# Altium PCB PCB1.PcbDoc (part 2 of 4)
Units mm, origin at the board's own origin, x right, y up, seen from the top; angles counter-clockwise.
Board outline 58.36 x 29.25 mm, 4 copper layers (Top Layer, Int1 (GND), Int2 (PWR), Bottom Layer), stack 1.586 mm thick; 90 components, 72 nets, 321 pads, 257 vias.
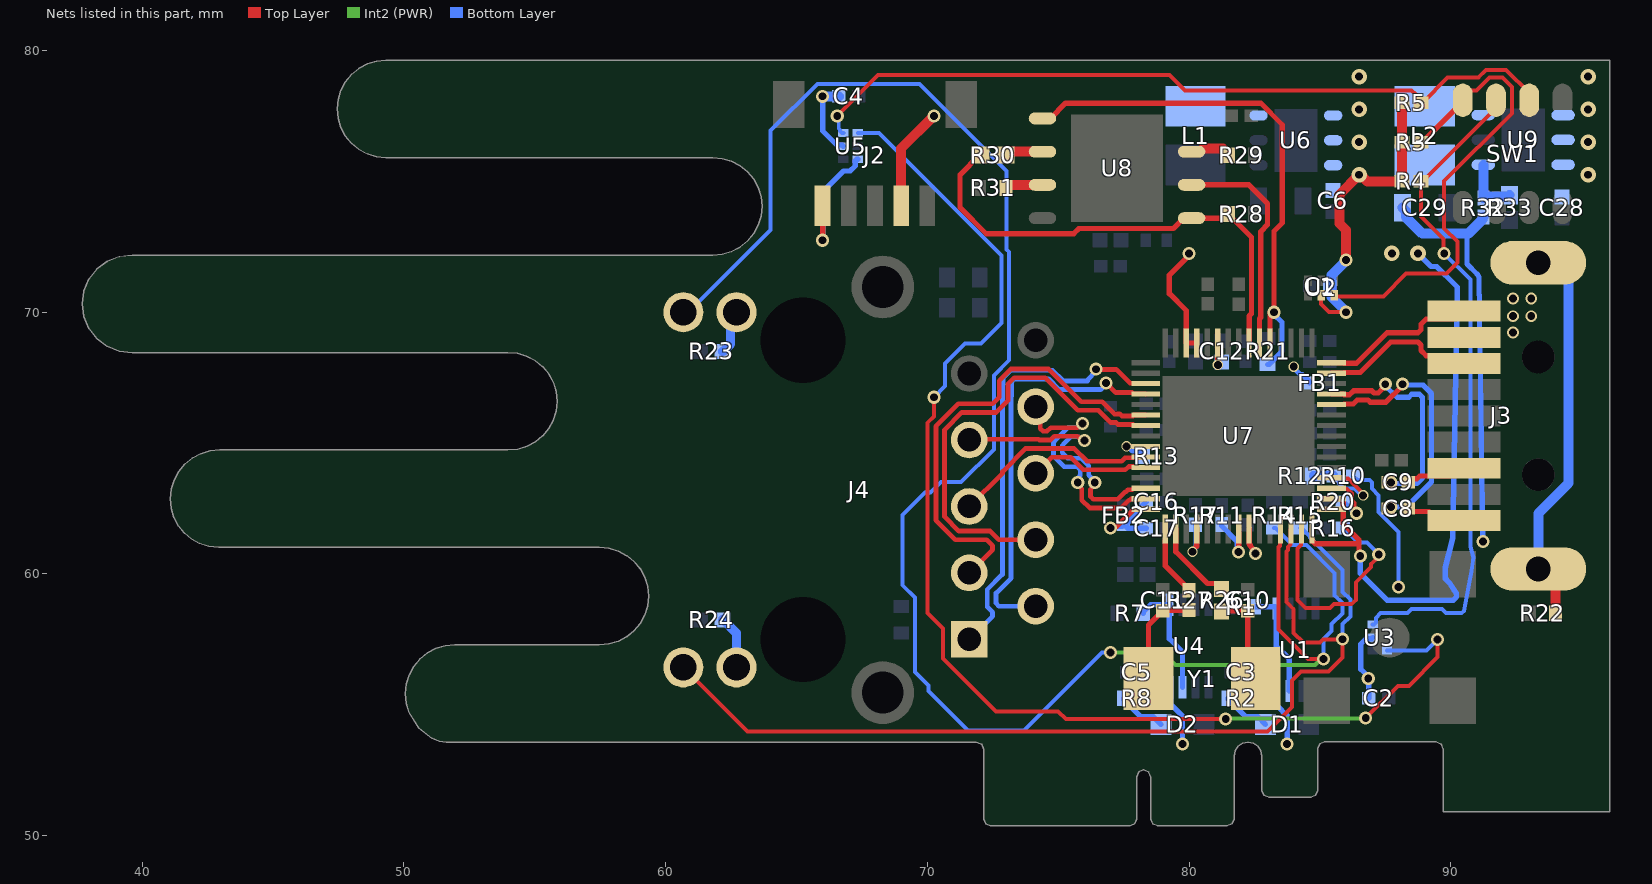
[diagram p4: the nets of this part, all layers, seen from the top]

## Via types
v1: diameter 0.5, hole 0.3, Top Layer to Bottom Layer, tented both sides, 181 vias
v2: diameter 0.6, hole 0.3, Top Layer to Bottom Layer, tented bottom, 32 vias
v3: diameter 0.6, hole 0.3, Top Layer to Bottom Layer, tented both sides, 14 vias
v4: diameter 0.4, hole 0.3, Top Layer to Bottom Layer, tented both sides, 11 vias
v5: diameter 0.48, hole 0.3, Top Layer to Bottom Layer, tented both sides, 10 vias
v6: diameter 0.45, hole 0.3, Top Layer to Bottom Layer, tented both sides, 5 vias
v7: diameter 0.5, hole 0.3, Top Layer to Bottom Layer, tented bottom, 2 vias
v8: diameter 0.5, hole 0.3, Top Layer to Bottom Layer, 2 vias

## Nets (pads, with @x,y where several pads share a name; then routed paths per layer and width w, separated by ;. In a path a pad name is that pad's centre, name@x,y a point inside that pad or via, vN(x,y) a via of type N, cw(c..) or ccw(c..) an arc to the next point about the centre after c; other vN are vias at no path point) (continued)
GPS_PPS_OUT: J2.5 U5.3 | length 5.1
  Top Layer w0.203: v1(66,72.75) J2.5@66,74.062
  Bottom Layer w0.203: v1(66,72.75) 66,74.598 66.8,75.398 67.054,75.398 67.246,75.59 67.246,75.796 67.294,75.844 U5.3@67.344,75.844
LED0: J4.P12 R14.2 U7.27 | length 72.1
  Top Layer w0.153: U7.27@83.496,61.722 83.472,61.698 83.472,61.075 83.419,61.021 83.419,57.871 84.539,56.75 v1@85.012,56.75
  Int2 (PWR) w0.153: v1(77,57) 79.007,57 79.484,56.524 84.82,56.524 85.046,56.75 v1(85.14,56.75)
  Bottom Layer w0.153: J4.P12@60.68,70 60.87,70 64.019,73.148 64.019,76.943 65.803,78.726 69.697,78.726 73.024,75.4 73.024,72.405 73.131,72.297 73.131,68.169 72.553,67.591 72.553,64.763 71.297,63.506 70.527,63.506 70.128,63.107 69.907,63.107 69.052,62.252 69.052,59.569 69.526,59.094 69.526,56.256 70.052,55.73 70.052,55.524 71.553,54.024 73.697,54.024 76.674,57 v1(77,57) ; R14.2@83.25,61.75 83.3,61.75 83.947,61.103 84.49,61.103 85.568,60.025 85.568,59.184 85.859,58.892 85.859,58.498 85.447,58.085 85.447,57.82 85.14,57.513 v1(85.14,56.75)
LED1: J4.P14 R15.2 U7.28 | length 40.1
  Top Layer w0.153: J4.P14@60.68,56.43 63.133,53.976 82.997,53.976 83.933,54.913 83.933,55.934 84.273,56.274 85.338,56.274 85.871,56.807 v1@85.871,57.5 ; U7.28@83.896,61.722 83.872,61.698 83.872,61.127 83.775,61.03 83.775,60.92 83.722,60.866 83.722,58.93 84,58.652 84,57.75 84.373,57.377 85.004,57.377 85.127,57.5 85.863,57.5 v1(85.871,57.508)
  Bottom Layer w0.153: R15.2@84.25,61.75 84.3,61.75 84.623,61.427 84.623,61.398 85.871,60.15 85.871,59.309 86.162,59.018 86.162,58.372 85.871,58.08 v1(85.871,57.508)
MDI0_N: J4.P2 U7.4 | length 15.9
  Top Layer w0.18: v1(76.832,67.301) 77.201,66.932 77.836,66.932 77.886,66.882 78.336,66.882 U7.4@78.346,66.872
  Bottom Layer w0.18: J4.P2@74.14,58.77 72.731,58.77 72.626,58.875 72.626,59.27 73.2,59.844 73.2,66.779 73.222,66.801 73.222,67.196 73.222,67.345 73.328,67.451 74.644,67.451 75.049,67.045 76.62,67.045 76.832,67.257 v1(76.832,67.301)
MDI0_P: J4.P1 U7.3 | length 16.9
  Top Layer w0.18: v1(76.446,67.824) 76.458,67.811 77.008,67.811 77.01,67.813 77.215,67.813 77.747,67.282 78.336,67.282 U7.3@78.346,67.272
  Bottom Layer w0.18: J4.P1@71.6,57.5 72.493,58.393 72.493,58.542 72.296,58.739 72.296,59.407 72.87,59.981 72.87,66.916 72.892,67.482 73.191,67.781 74.78,67.781 75.186,67.375 76.125,67.375 76.125,67.417 76.446,67.737 v1(76.446,67.824)
MDI1_N: J4.P4 U7.7 | length 16.8
  Top Layer w0.18: J4.P4@74.14,61.31 72.731,61.31 72.401,61.64 71.211,61.64 70.66,62.191 70.66,65.509 71.321,66.17 72.637,66.17 73.08,66.613 73.08,67.25 73.33,67.5 74.5,67.5 75.75,66.25 76.541,66.25 77.005,65.785 77.21,65.785 77.289,65.707 77.861,65.707 77.896,65.672 U7.7@78.346,65.672
MDI1_P: J4.P3 U7.6 | length 17.6
  Top Layer w0.18: J4.P3@71.6,60.04 72.493,60.933 72.493,61.082 72.265,61.31 71.074,61.31 70.33,62.054 70.33,65.646 71.184,66.5 72.5,66.5 72.75,66.75 72.75,67.387 73.193,67.83 74.637,67.83 75.887,66.58 76.678,66.58 77.142,66.115 77.347,66.115 77.425,66.037 77.861,66.037 77.896,66.072 U7.6@78.346,66.072
MDI2_N: J4.P6 U7.11 | length 4.7
  Top Layer w0.18: J4.P6@74.14,63.85 74.143,63.85 74.753,64.46 75.48,64.46 75.95,63.99 75.953,63.99 75.963,63.98 77.569,63.98 77.694,64.105 77.863,64.105 77.896,64.072 U7.11@78.346,64.072
MDI2_P: J4.P5 U7.10 | length 8
  Top Layer w0.18: J4.P5@71.6,62.58 72.875,63.855 72.875,63.914 73.751,64.79 75.617,64.79 76.087,64.32 76.09,64.32 76.1,64.31 77.432,64.31 77.557,64.435 77.859,64.435 77.896,64.472 U7.10@78.346,64.472
MDI3_N: J4.P8 U7.14 | length 9.8
  Top Layer w0.18: J4.P8@74.14,66.39 74.317,66.213 74.317,65.555 74.423,65.45 74.572,65.45 74.712,65.59 75.753,65.59 75.913,65.75 v1(75.931,65.75) ; v1(75.75,63.5) 75.75,63.413 75.906,63.258 75.906,62.824 76.209,62.522 77.406,62.522 77.697,62.812 77.73,62.812 77.78,62.862 78.336,62.862 U7.14@78.346,62.872
  Bottom Layer w0.18: v1(75.75,63.5) 75.811,63.561 75.811,63.735 75.842,63.765 75.842,63.99 75.736,64.095 75.224,64.095 74.825,64.495 74.825,65.041 74.91,65.127 75.373,65.59 75.753,65.59 75.913,65.75 v1(75.931,65.75)
MDI3_P: J4.P7 U7.13 | length 10.8
  Top Layer w0.18: J4.P7@71.6,65.12 71.63,65.15 74.256,65.15 74.286,65.12 74.708,65.12 74.848,65.26 75.753,65.26 75.913,65.1 v1(76,65.1) ; v1(76.4,63.49) 76.4,63.403 76.236,63.239 76.236,62.961 76.345,62.852 77.269,62.852 77.56,63.142 77.593,63.142 77.663,63.212 77.836,63.212 77.896,63.272 U7.13@78.346,63.272
  Bottom Layer w0.18: v1(76,65.1) 75.913,65.1 75.753,65.26 75.51,65.26 75.24,64.99 75.155,64.905 75.155,64.631 75.361,64.425 75.873,64.425 76.172,64.127 76.172,63.776 76.4,63.548 v1(76.4,63.49)
MUX1_CTRL: R3.1 SW1.8 U2.6 | length 18.1
  Top Layer w0.152: U2.6@85.55,70.652 85.602,70.6 87.422,70.6 88.299,71.476 89.831,71.476 90.25,71.895 90.25,72.702 89.75,73.202 89.75,75.008 92.336,77.594 92.336,78.606 91.981,78.961 91.479,78.961 90.989,78.471 90.741,78.471 90.46,78.191 SW1.8@90.46,77.996
  Top Layer w0.203: R3.1@88.866,76.5 88.92,76.5 90.158,77.738 90.203,77.738 SW1.8@90.46,77.996
  Top Layer w0.381: SW1.8@90.406,78.046 SW1.8@90.46,78.1
MUX2_CTRL: R4.1 SW1.7 U3.6 | length 25.5
  Top Layer w0.152: v1(89.75,72.25) 89.72,72.28 89.72,72.805 88.866,73.659 R4.1@88.866,75 88.92,75 91.73,77.81 SW1.7@91.73,78.1
  Bottom Layer w0.152: U3.6@87.015,58.071 87.065,58.071 87.139,58.145 87.139,58.315 87.324,58.5 88.345,58.5 88.5,58.655 89.668,58.655 89.823,58.5 90.372,58.5 90.411,58.5 90.5,58.589 90.734,59.806 90.768,59.995 90.859,60.552 90.864,60.615 90.75,61.043 90.75,71.25 v1(89.75,72.25)
MUX3_CTRL: R5.1 SW1.6 U5.6 | length 29.7
  Top Layer w0.152: v1(66.558,77.5) 68.122,79.064 79.262,79.064 79.852,78.474 88.507,78.474 88.651,78.33 88.651,78.16 88.811,78 R5.1@88.866,78 88.92,78 89.881,78.961 91.051,78.961 91.354,79.264 92.106,79.264 93,78.37 SW1.6@93,78.1
  Bottom Layer w0.152: v1@66.558,77.406 v1(66.558,77.5) 66.617,77.441 66.617,77.021 66.671,76.968 66.671,76.918 66.744,76.844 U5.6@66.794,76.844
NetC10_1: C10.1 R26.1 Y1.1 | length 3.7
  Top Layer w0.203: R26.1@81.25,58.571 81.279,58.6 C10.1@82.25,58.6 82.25,56.3 Y1.1@82.55,56
NetC11_1: C11.1 R27.1 Y1.2 | length 3.8
  Top Layer w0.203: Y1.2@78.45,56 78.45,58.05 C11.1@79,58.6 79.012,58.612 79.988,58.612 R27.1@80,58.625
NetC16_2: C16.2 C17.2 FB2.1 U7.15 | length 4.4
  Top Layer w0.203: v1(77,61.75) 77.08,61.75 77.153,61.823 77.25,61.823 77.899,62.472 U7.15@78.346,62.472
  Bottom Layer w0.152: v1(77,61.75) 77.05,61.8 77.45,61.8 FB2.1@77.5,61.85
  Bottom Layer w0.203: FB2.1@77.5,61.85 FB2.1@77.55,61.85 ; C17.2@78.371,61.75 77.65,61.75 FB2.1@77.55,61.85 ; C16.2@78.371,62.75 78.35,62.75 78.215,62.615 78.215,62.515 FB2.1@77.55,61.85
NetD1_2: D1.2 R2.2 | length 1.9
  Bottom Layer w0.203: R2.2@81.5,55.25 81.5,55.2 82.151,54.549 82.626,54.549 D1.2@82.925,54.25
NetD2_2: D2.2 R8.2 | length 1.9
  Bottom Layer w0.203: R8.2@77.5,55.25 77.5,55.2 78.151,54.548 78.626,54.548 D2.2@78.925,54.25
NetJ3_SH1: J3.SH1 J3.SH2 R22.2 | length 15
  Top Layer w0.381: J3.SH1@93.345,60.19 93.409,60.19 94,59.599 R22.2@94,58.5
  Bottom Layer w0.381: J3.SH1@93.345,60.19 93.345,62.313 94.5,63.468 94.5,71.299 93.909,71.89 J3.SH2@93.345,71.89
NetJ4_P11: J4.P11 R23.2 | length 1.7
  Bottom Layer w0.349: R23.2@62.179,68.5 62.2,68.5 62.484,68.784 62.484,69.774 J4.P11@62.71,70
NetJ4_P13: J4.P13 R24.2 | length 2.1
  Bottom Layer w0.349: R24.2@62.179,58.25 62.2,58.25 62.71,57.74 J4.P13@62.71,56.43
NetL1_1: L1.1 U6.3
NetL2_1: L2.1 U9.3
NetR1_1: R1.1 U1.1 U1.7 | length 4.2
  Bottom Layer w0.203: R1.1@82.5,58.75 83.284,58.75 83.333,58.702 U1.1@83.333,58.678 83.333,57.246 83.833,56.746 U1.7@83.833,55.528
NetR7_1: R7.1 U4.1 U4.7 | length 4.5
  Bottom Layer w0.203: R7.1@78.25,58.5 78.25,58.55 78.525,58.825 U4.1@79.25,58.825 79.25,57.524 79.75,57.024 U4.7@79.75,55.675
NetR13_1: R13.1 U7.9 | length 1.6
  Top Layer w0.152: v4(77.611,64.875) 77.612,64.873 78.345,64.873 U7.9@78.346,64.872
  Bottom Layer w0.203: v4(77.611,64.875) 77.664,64.875 77.841,64.698 78.102,64.698 78.25,64.55 R13.1@78.25,64.5
NetR16_1: R16.1 U7.29 | length 9.2
  Top Layer w0.152: U7.29@84.296,61.722 84.272,61.698 84.272,61.098 84.14,60.967 84.14,59.001 84.447,58.695 85.383,58.695 85.536,58.848 86.218,58.848 86.371,59.001 86.371,59.683 86.952,60.264 86.952,60.371 87.25,60.67 v1(87.25,60.75)
  Bottom Layer w0.152: R16.1@85.875,61.75 85.9,61.75 86.454,61.196 86.804,61.196 v1(87.25,60.75)
NetR17_1: R17.1 U7.19 | length 2
  Top Layer w0.203: v4(80.133,60.85) 80.133,60.903 80.295,61.065 80.295,61.72 U7.19@80.296,61.722
  Bottom Layer w0.203: v4(80.133,60.85) 80.133,60.903 80.271,61.041 80.271,61.854 R17.1@80.25,61.875
NetR20_1: R20.1 U7.33 | length 2.4
  Top Layer w0.152: U7.33@85.446,63.272 85.47,63.248 86.04,63.248 86.222,63.066 86.222,62.823 86.329,62.716 86.329,62.385 v1(86.396,62.318)
  Bottom Layer w0.203: R20.1@85.875,62.75 85.9,62.75 86.332,62.318 v1(86.396,62.318)
NetR29_2: R29.2 U8.7 | length 1.6
  Top Layer w0.381: U8.7@80.1,76.135 80.419,76.135 80.539,76.256 81.294,76.256 81.5,76.05 R29.2@81.5,76
NetR30_2: R30.2 U8.2 | length 1.5
  Top Layer w0.381: R30.2@72.975,76 73,76 73.135,76.135 U8.2@74.4,76.135
NetR31_2: R31.2 U8.3 | length 1.5
  Top Layer w0.381: R31.2@73,74.75 73,74.8 73.065,74.865 U8.3@74.4,74.865
NetR32_2: R32.2 R33.2 U9.1 | length 2.3
  Bottom Layer w0.381: U9.1@91.243,75.633 91.247,75.63 91.247,74.369 R32.2@91.25,74.366 91.25,74.375 91.296,74.42 92.195,74.42 R33.2@92.25,74.475
NetU3_3: U3.3 U5.1 | length 48.2
  Top Layer w0.152: v1(70.25,66.75) 70.25,66.013 70.014,65.777 70.014,58.515 70.605,57.924 70.605,56.775 72.63,54.75 75,54.75 75.297,54.453 v1(81.401,54.453) ; v1(86.75,54.5) 87.976,55.726 88.4,55.726 89.5,56.827 v1(89.5,57.5)
  Int2 (PWR) w0.152: v1(81.401,54.453) 81.425,54.477 86.726,54.477 v1(86.75,54.5)
  Bottom Layer w0.152: U5.1@67.344,76.844 68.156,76.844 72.829,72.171 72.829,69.581 72.06,68.812 71.442,68.812 70.674,68.044 70.674,67.174 v1(70.25,66.75) ; U3.3@87.565,57.071 89.071,57.071 v1(89.5,57.5)
RESET_N: R11.1 U7.23 | length 2.2
  Top Layer w0.203: v1(81.897,60.842) U7.23@81.896,61.722
  Bottom Layer w0.203: R11.1@81.25,61.884 81.25,61.83 81.84,61.24 81.84,60.899 v1(81.897,60.842)
SPI_CLK: U7.51 U8.6 | length 8.7
  Top Layer w0.203: U8.6@80.1,74.865 82.291,74.865 83.002,74.154 83.002,73.346 82.743,73.087 82.743,69.805 82.696,69.758 U7.51@82.696,68.822
SPI_CS: R21.2 U7.50 U8.1 | length 20.6
  Top Layer w0.203: U8.1@74.4,77.405 74.7,77.405 75.283,77.988 82.74,77.988 83.564,77.164 83.564,73.409 83.25,73.095 v1(83.25,70) ; U7.50@83.096,68.822 v1@83.096,70
  Bottom Layer w0.203: R21.2@83,68 83.05,68 83.551,68.502 83.551,69.618 83.25,69.92 v1(83.25,70)
SPI_DIO: R28.2 R30.1 U7.52 U8.5 | length 18.7
  Top Layer w0.203: R30.1@72.025,76 72,76 71.25,75.25 71.25,74 72.251,72.999 75.592,72.999 75.792,73.198 79.403,73.198 79.8,73.595 U8.5@80.1,73.595 81.352,73.595 81.5,73.743 R28.2@81.5,73.75 81.5,73.7 81.649,73.552 81.699,73.552 82.384,72.866 82.384,69.945 82.296,69.857 U7.52@82.296,68.822
SSRX_N: J3.8 U7.44 | length 6
  Top Layer w0.2: U7.44@85.446,67.672 85.896,67.672 85.924,67.7 86.544,67.7 87.709,68.865 88.748,68.865 88.865,68.748 88.865,68.536 89.061,68.34 90.205,68.34 J3.8@90.505,68.04
SSRX_P: J3.9 U7.45 | length 6
  Top Layer w0.2: U7.45@85.446,68.072 85.896,68.072 85.918,68.05 86.399,68.05 87.565,69.215 88.748,69.215 88.865,69.332 88.865,69.544 89.061,69.74 90.205,69.74 J3.9@90.505,70.04
SSTX_N: C8.2 U7.41 | length 9.8
  Top Layer w0.2: U7.41@85.446,66.472 85.896,66.472 85.921,66.497 86.276,66.497 86.426,66.647 86.84,66.647 86.922,66.565 87.522,66.565 88.15,67.193 v1(88.15,67.25) ; C8.2@87.658,62.5 v1(87.721,62.563)
  Bottom Layer w0.2: v1(87.721,62.563) 88.313,62.563 88.88,63.13 89.268,63.518 89.268,66.893 88.946,67.215 88.185,67.215 v1(88.15,67.25)
SSTX_P: C9.2 U7.42 | length 8.6
  Top Layer w0.2: U7.42@85.446,66.872 85.896,66.872 85.921,66.847 86.131,66.847 86.281,66.997 86.985,66.997 87.067,66.915 87.233,66.915 87.436,67.118 87.436,67.186 v1@87.377,67.245 ; C9.2@87.621,63.5 v1(87.721,63.5)
  Bottom Layer w0.2: v1(87.5,67.25) 87.5,67.193 87.943,66.75 88.393,66.75 88.508,66.865 88.801,66.865 88.918,66.748 88.918,63.663 88.715,63.46 87.761,63.46 v1(87.721,63.5)
USB3.0_SSTX_N: C8.1 J3.5 | length 2.3
  Top Layer w0.2: C8.1@88.379,62.5 88.489,62.39 89.165,62.39 89.515,62.04 J3.5@90.505,62.04
USB3.0_SSTX_P: C9.1 J3.6 | length 2.4
  Top Layer w0.2: C9.1@88.379,63.5 88.515,63.636 88.711,63.636 88.815,63.74 90.205,63.74 J3.6@90.505,64.04
VBUS: R10.1 R12.2 U7.34 | length 3.8
  Top Layer w0.152: U7.34@85.446,63.672 85.47,63.648 86.067,63.648 86.525,63.191 86.648,63.067 v4(86.648,63)
  Bottom Layer w0.152: R10.1@85.525,63.75 85.55,63.75 85.724,63.576 85.724,63.456 85.917,63.263 86.318,63.263 86.581,63 v4(86.648,63)
  Bottom Layer w0.349: R12.2@84.75,63.75 R10.1@85.525,63.75
VBUS_+5V: C1.2 C2.2 C3.2 C4.2 C5.2 C6.2 C28.2 J2.2 J3.1 R2.1 R3.2 R4.2 R5.2 R8.1 R10.2 U1.8 U2.5 U3.5 U4.8 U5.5 U6.4 U6.5 U6.6 U9.4 U9.5 U9.6 | length 36.1
  Top Layer w0.152: U2.5@85.05,70.652 85.05,70.31 85.347,70.012 85.988,70.012 v1(86,70)
  Top Layer w0.381: J2.2@69,74.062 69,76.25 v1(70.25,77.5) ; v1(86,72) 86,73.141 85.75,73.391 85.75,74.5 v3(86.5,75.25) 86.559,75.25 86.809,75 R4.2@88.134,75 R3.2@88.134,76.5 R5.2@88.134,78
  Bottom Layer w0.152: R10.2@86.275,63.75 86.438,63.587 86.905,63.587 86.995,63.498 86.995,63.256 87.245,63.006 87.245,62.366 88,61.61 v1(88,59.501)
  Bottom Layer w0.203: v1(66,78.25) 66,76.933 66.54,76.393 66.746,76.393 U5.5@66.794,76.344 ; C5.2@78.379,56.25 78.439,56.189 78.439,55.311 R8.1@78.5,55.25 78.601,55.351 79.201,55.351 79.25,55.4 U4.8@79.25,55.675 79.298,55.626 79.298,55.032 79.75,54.581 v1(79.75,53.5) ; C3.2@82.379,56.25 82.439,56.189 82.439,55.311 R2.1@82.5,55.25 83.284,55.25 83.333,55.299 U1.8@83.333,55.528 83.381,55.48 83.381,54.949 83.75,54.581 v1(83.75,53.5) ; C2.2@86.871,55.25 86.871,55.976 v1(86.847,56) 86.847,56.08 86.563,56.365 86.563,57.325 86.761,57.522 86.966,57.522 U3.5@87.015,57.571
  Bottom Layer w0.381: v1(66,78.25) C4.2@66.621,78.25 ; C1.2@85.379,71 C1.2@85.4,71 ; v1(86,70) 86,70.032 85.446,70.586 85.446,70.954 C1.2@85.4,71 ; v1(86,72) 86,71.968 85.446,71.414 85.446,71.046 C1.2@85.4,71
  other v3: 95.25,75.25 86.5,76.5 95.25,76.5 86.5,77.75 95.25,77.75 86.5,79 95.25,79
  other v6: 92.375,69.225 92.375,69.85 93.075,69.85 92.375,70.525 93.075,70.525
VCCK10: C29.2 L2.2 R32.1 U7.24 U7.30 U7.31 U7.32 U7.57 U7.58 | length 45.3
  Top Layer w0.203: v1(80,72.25) 80,72.17 79.25,71.42 79.25,70.709 79.896,70.063 U7.58@79.896,68.822 U7.57@80.296,68.822 ; U7.24@82.296,61.722 82.298,61.72 82.298,61.151 82.344,61.104 82.344,61.068 82.398,61.014 82.398,61.001 82.543,60.856 v1(82.543,60.775) ; U7.30@84.696,61.722 84.696,61.273 84.815,61.154 86.351,61.154 ; U7.32@85.446,62.872 85.893,62.872 85.894,62.87 85.894,61.908 86.498,61.304 86.498,60.732 v1(86.544,60.685)
  Bottom Layer w0.203: v1(86.544,60.685) 86.544,60.016 87.501,59.059 87.561,59 90.098,59 90.216,59.119 90.216,59.266 90.181,59.318 89.939,59.669 89.79,59.83 89.79,60.245 90.078,61.369 90.25,70.791 90.25,70.959 90.191,71.019 89.459,71.75 89.25,71.75 v3(88.75,72.25) ; 90.67,73 90.624,72.954 90.624,71.84 91.012,71.451 91.043,71.42 ccw(c92.345,71.89) 91.078,71.334 v1(91.226,61.24)
  Bottom Layer w0.381: C29.2@88.15,74 88.285,73.866 88.285,73.63 88.915,73 90.67,73 91.204,73.534 91.204,73.589 R32.1@91.25,73.634
  other v3: 87.75,72.25
VCORE_LDO: C12.2 FB1.1 U7.55 | length 1.8
  Top Layer w0.203: U7.55@81.096,68.822 U7.55@81.096,68.822 81.098,67.992 v4(81.101,67.988)
  Bottom Layer w0.203: v4(84.001,67.922) 84.001,67.871 84.26,67.612 84.338,67.612 84.6,67.35 FB1.1@84.6,67.3
XTL20N: R27.2 U7.16 | length 2.3
  Top Layer w0.203: U7.16@79.096,61.273 79.096,60.304 80,59.4 R27.2@80,59.375
XTL20P: R26.2 U7.17 | length 3.2
  Top Layer w0.203: U7.17@79.496,61.722 79.496,60.849 80.71,59.635 81.065,59.635 81.25,59.45 R26.2@81.25,59.429
pads on no net: J2.MT1 J2.MT2 J3. J4.MH3 J4.MH4 J4.P9 SW1.4 SW1.5 U7.18 U7.22 U7.47 U7.48 U7.49 U7.60
copper on no net: | length 290